# Altium PCB PCB.PcbDoc (part 3 of 4) (continued)
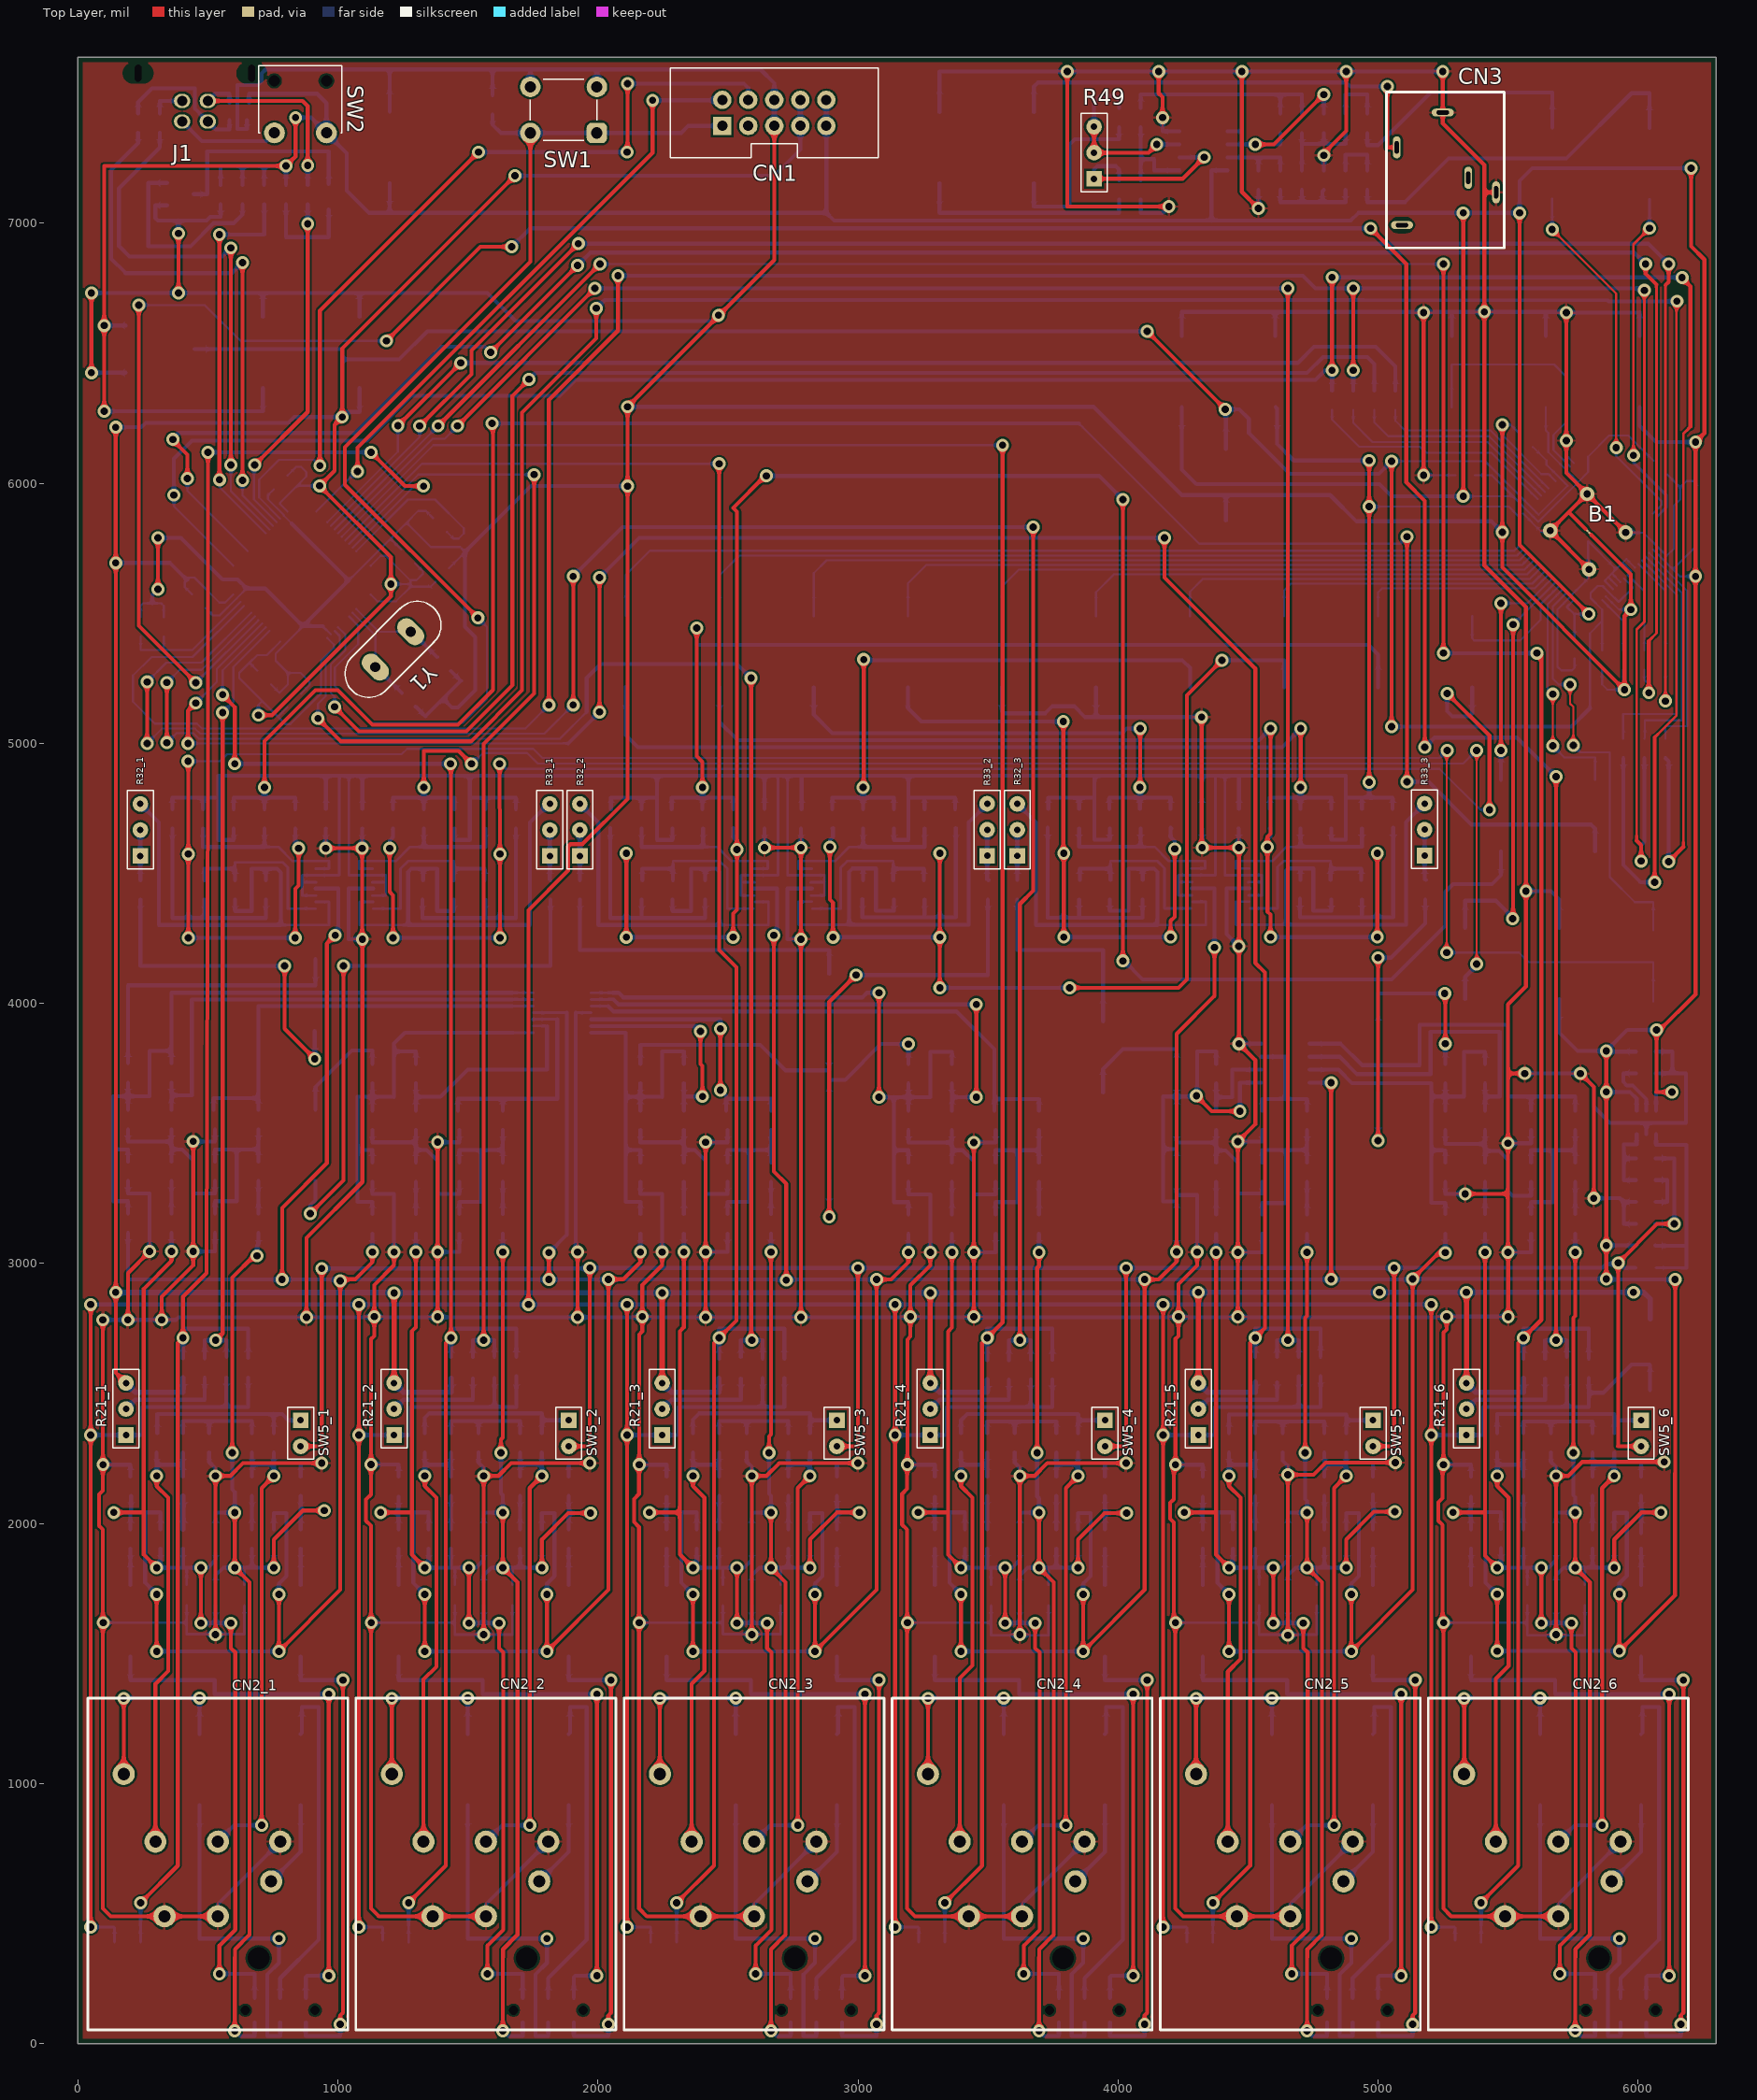
[diagram p0: Top Layer view]
## Nets (pads, with @x,y where several pads share a name; then routed paths per layer and width w, separated by ;. In a path a pad name is that pad's centre, name@x,y a point inside that pad or via, vN(x,y) a via of type N, cw(c..) or ccw(c..) an arc to the next point about the centre after c; other vN are vias at no path point) (continued)
NetC46_2: C46.2 U3.63 | length 3288.3
  Bottom Layer w8: C46.2@2468.01,5488.87 2468.01,5647.15 2542.96,5722.1 5533.76,5722.1 U3.63@5557.23,5745.57
NetC47_1_1: C47_1.1 SW3_1.2 | length 1350.4
  Bottom Layer w15: SW3_1.2@777.56,175.2 777.56,250.98 925.2,398.62 925.2,1294.29 861.22,1294.29 861.22,1195.07 C47_1.1@856.3,1190.15
NetC47_1_2: C47_1.2 CN2_1.R | length 339.9
  Bottom Layer w15: CN2_1.R@742.8,623.28 856.3,736.79 C47_1.2@856.3,916.15
NetC47_2_1: C47_2.1 SW3_2.2 | length 1350.4
  Bottom Layer w15: SW3_2.2@1808.56,175.2 1808.56,250.98 1956.2,398.62 1956.2,1294.29 1892.22,1294.29 1892.22,1195.07 C47_2.1@1887.3,1190.15
NetC47_2_2: C47_2.2 CN2_2.R | length 339.9
  Bottom Layer w15: CN2_2.R@1773.8,623.28 1887.3,736.79 C47_2.2@1887.3,916.15
NetC47_3_1: C47_3.1 SW3_3.2 | length 1350.4
  Bottom Layer w15: SW3_3.2@2839.57,175.2 2839.57,250.98 2987.2,398.62 2987.2,1294.29 2923.23,1294.29 2923.23,1195.07 C47_3.1@2918.31,1190.15
NetC47_3_2: C47_3.2 CN2_3.R | length 339.9
  Bottom Layer w15: CN2_3.R@2804.8,623.28 2918.31,736.79 C47_3.2@2918.31,916.15
NetC47_4_1: C47_4.1 SW3_4.2 | length 1350.4
  Bottom Layer w15: SW3_4.2@3870.57,175.2 3870.57,250.98 4018.21,398.62 4018.21,1294.29 3954.23,1294.29 3954.23,1195.07 C47_4.1@3949.31,1190.15
NetC47_4_2: C47_4.2 CN2_4.R | length 339.9
  Bottom Layer w15: CN2_4.R@3835.81,623.28 3949.31,736.79 C47_4.2@3949.31,916.15
NetC47_5_1: C47_5.1 SW3_5.2 | length 1350.4
  Bottom Layer w15: SW3_5.2@4901.57,175.2 4901.57,250.98 5049.21,398.62 5049.21,1294.29 4985.24,1294.29 4985.24,1195.07 C47_5.1@4980.31,1190.15
NetC47_5_2: C47_5.2 CN2_5.R | length 339.9
  Bottom Layer w15: CN2_5.R@4866.81,623.28 4980.31,736.79 C47_5.2@4980.31,916.15
NetC47_6_1: C47_6.1 SW3_6.2 | length 1350.4
  Bottom Layer w15: SW3_6.2@5932.58,175.2 5932.58,250.98 6080.22,398.62 6080.22,1294.29 6016.24,1294.29 6016.24,1195.07 C47_6.1@6011.32,1190.15
NetC47_6_2: C47_6.2 CN2_6.R | length 339.9
  Bottom Layer w15: CN2_6.R@5897.81,623.28 6011.32,736.79 C47_6.2@6011.32,916.15
NetC48_1_1: C48_1.1 SW3_1.5 | length 1310.5
  Bottom Layer w15: C48_1.1@467.52,916.15 467.52,656.99 467.52,403.54 v1(772.64,403.54) 772.64,310.04 728.35,265.75 728.35,29.53 777.56,29.53 SW3_1.5@777.56,80.71
NetC48_1_2: C48_1.2 CN2_1.T | length 722
  Top Layer w15: CN2_1.T@175.8,1036.28 v1(175.8,1327.37) v1@177.18,1328.75
  Bottom Layer w15: v1@177.18,1328.75 v1(467.52,1328.75) C48_1.2@467.52,1190.15
NetC48_2_1: C48_2.1 SW3_2.5 | length 1310.5
  Bottom Layer w15: C48_2.1@1498.52,916.15 1498.52,656.99 1498.52,403.54 v1(1803.64,403.54) 1803.64,310.04 1759.35,265.75 1759.35,29.53 1808.56,29.53 SW3_2.5@1808.56,80.71
NetC48_2_2: C48_2.2 CN2_2.T | length 722
  Top Layer w15: CN2_2.T@1206.8,1036.28 v1(1206.8,1327.37) v1@1208.18,1328.75
  Bottom Layer w15: v1@1208.18,1328.75 v1(1498.53,1328.75) C48_2.2@1498.53,1190.15
NetC48_3_1: C48_3.1 SW3_3.5 | length 1310.5
  Bottom Layer w15: C48_3.1@2529.53,916.15 2529.53,656.99 2529.53,403.54 v1(2834.65,403.54) 2834.65,310.04 2790.35,265.75 2790.35,29.53 2839.57,29.53 SW3_3.5@2839.57,80.71
NetC48_3_2: C48_3.2 CN2_3.T | length 722
  Top Layer w15: CN2_3.T@2237.8,1036.28 v1(2237.8,1327.37) v1@2239.18,1328.75
  Bottom Layer w15: v1@2239.18,1328.75 v1(2529.53,1328.75) C48_3.2@2529.53,1190.15
NetC48_4_1: C48_4.1 SW3_4.5 | length 1310.5
  Bottom Layer w15: C48_4.1@3560.53,916.15 3560.53,656.99 3560.53,403.54 v1(3865.65,403.54) 3865.65,310.04 3821.36,265.75 3821.36,29.53 3870.57,29.53 SW3_4.5@3870.57,80.71
NetC48_4_2: C48_4.2 CN2_4.T | length 722
  Top Layer w15: CN2_4.T@3268.81,1036.28 v1(3268.81,1327.37) v1@3270.19,1328.75
  Bottom Layer w15: v1@3270.19,1328.75 v1(3560.54,1328.75) C48_4.2@3560.54,1190.15
NetC48_5_1: C48_5.1 SW3_5.5 | length 1310.5
  Bottom Layer w15: C48_5.1@4591.54,916.15 4591.54,656.99 4591.54,403.54 v1(4896.65,403.54) 4896.65,310.04 4852.36,265.75 4852.36,29.53 4901.57,29.53 SW3_5.5@4901.57,80.71
NetC48_5_2: C48_5.2 CN2_5.T | length 722
  Top Layer w15: CN2_5.T@4299.81,1036.28 v1(4299.81,1327.37) v1@4301.19,1328.75
  Bottom Layer w15: v1@4301.19,1328.75 v1(4591.54,1328.75) C48_5.2@4591.54,1190.15
NetC48_6_1: C48_6.1 SW3_6.5 | length 1310.5
  Bottom Layer w15: C48_6.1@5622.54,916.15 5622.54,656.99 5622.54,403.54 v1(5927.66,403.54) 5927.66,310.04 5883.37,265.75 5883.37,29.53 5932.58,29.53 SW3_6.5@5932.58,80.71
NetC48_6_2: C48_6.2 CN2_6.T | length 722
  Top Layer w15: CN2_6.T@5330.81,1036.28 v1(5330.81,1327.37) v1@5332.2,1328.75
  Bottom Layer w15: v1@5332.2,1328.75 v1(5622.54,1328.75) C48_6.2@5622.54,1190.15
NetC49_1_1: C49_1.1 R23_1.2 U2.22 | length 3030
  Top Layer w15: v1(529.33,2704.23) 556.1,2731 v1(556.1,5118.11)
  Bottom Layer w8: v1(556.1,5118.11) 597.93,5159.94 597.93,5294.49 U2.22@736.03,5432.59
  Bottom Layer w15: R23_1.2@487.5,2634.94 487.5,2704.23 v1(529.33,2704.23) 571.16,2704.23 C49_1.1@571.16,2641.14
NetC49_2_1: C49_2.1 R23_2.2 U2.58 | length 4443.6
  Top Layer w15: v1(1560.04,2704.23) 1560.04,4997.54 1754.43,5191.93 v1(1754.43,6033.46)
  Bottom Layer w8: U2.58@1042.26,5766.65 1245.09,5969.49 1309.06,6033.46 v1(1754.43,6033.46)
  Bottom Layer w15: R23_2.2@1518.21,2639.86 1518.21,2704.23 v1(1560.04,2704.23) 1601.87,2704.23 C49_2.1@1601.87,2641.14
NetC49_3_1: C49_3.1 R23_3.2 U2.26 | length 5929.4
  Top Layer w15: v1(342.03,5002.46) v1(342.03,5233.76) ; v1@2588.58,2704.23 2588.58,4894.19 v1(2588.58,5250.98)
  Bottom Layer w8: v1(342.03,5002.46) 378.94,5039.37 442.91,5039.37 465.06,5017.22 1852.85,5017.22 1956.2,5120.57 ; v1(342.03,5233.76) 391.24,5282.97 475.06,5282.97 U2.26@680.35,5488.27
  Bottom Layer w15: 1956.2,5120.57 1956.2,5250.98 2010.33,5305.12 2534.45,5305.12 v1(2588.58,5250.98) ; R23_3.2@2549.21,2639.86 2549.21,2704.23 v1(2591.04,2704.23) 2632.87,2704.23 C49_3.1@2632.87,2633.76
NetC49_4_1: C49_4.1 R23_4.2 U2.27 | length 8190.2
  Top Layer w15: v1(265.75,5000) v1(265.75,5236.22) ; v1(1904.53,5147.64) v1(1904.53,5642.22) ; v1(3622.05,2704.23) 3622.05,4333.17 3622.05,4382.38 3673.72,4434.06 v1(3673.72,5831.69)
  Bottom Layer w8: v1(265.75,5000) 322.34,5056.59 450.3,5056.59 469.98,5036.91 1793.8,5036.91 v1(1904.53,5147.64) ; v1(265.75,5236.22) 339.57,5310.04 474.28,5310.04 U2.27@666.43,5502.19
  Bottom Layer w15: v1(1904.53,5642.22) 2094,5831.69 v1(3673.72,5831.69) ; R23_4.2@3580.22,2627.56 3580.22,2704.23 v1(3622.05,2704.23) 3663.88,2704.23 C49_4.1@3663.88,2628.84
NetC49_5_1: C49_5.1 R23_5.2 U2.55 | length 8298.8
  Top Layer w15: v1(1459.15,6220.47) v1(1988.19,6749.51) ; v1(4653.05,2704.23) 4653.05,3929.63 v1(4653.05,6749.51)
  Bottom Layer w8: U2.55@1000.5,5808.41 1363.34,6171.26 1409.94,6171.26 v1(1459.15,6220.47)
  Bottom Layer w15: v1(1988.19,6749.51) v1(4653.05,6749.51) ; R23_5.2@4611.22,2639.86 4611.22,2704.23 v1(4653.05,2704.23) 4694.88,2704.23 C49_5.1@4694.88,2641.14
NetC49_6_1: C49_6.1 R23_6.2 U2.25 | length 11915
  Top Layer w15: v1(233.76,6685.53) 233.76,5451.83 v1(452.76,5232.83) ; v1(1186.02,6547.74) 1547.74,6909.45 v1(1668.31,6909.45) ; v1(4970.47,6980.81) 5108.27,6843.01 5108.27,6003.94 5179.63,5932.58 v1(5179.63,4985.24) ; v1(5684.06,2704.23) 5684.06,3954.23 v1(5684.06,4872.05)
  Bottom Layer w8: v1(233.76,6685.53) 487.2,6685.53 629.92,6542.81 634.84,6547.74 v1(1186.02,6547.74) ; v1(452.76,5232.83) U2.25@694.27,5474.35 U2.25@691.89,5474.35
  Bottom Layer w15: v1(1668.31,6909.45) 1739.67,6980.81 v1(4970.47,6980.81) ; v1(5179.63,4985.24) 5216.54,5022.15 5533.96,5022.15 v1(5684.06,4872.05) ; R23_6.2@5642.22,2632.48 5642.22,2704.23 v1(5684.06,2704.23) 5725.89,2704.23 C49_6.1@5725.89,2641.14
NetC50_1_1: C50_1.1 R22_1.1 SW4_1.2 U2.59 | length 7565.2
  Top Layer w15: v1(240.55,540.75) 383.86,684.06 383.86,2445.87 383.86,2694.39 v1(403.54,2714.07) 403.54,2871.56 494.45,2962.46 499.71,4911.39 v1(499.72,6119.59) ; v1(1126.97,6119.59) 1257.38,5989.17 v1(1328.74,5989.17)
  Bottom Layer w8: U2.59@1056.17,5752.74 1292.61,5989.17 v1(1328.74,5989.17)
  Bottom Layer w10: SW4_1.2@240.55,390.26 240.55,472.44
  Bottom Layer w15: 240.55,472.44 v1(240.55,540.75) ; R22_1.1@403.54,2634.94 v1(403.54,2714.07) 403.54,2748.52 654.82,2748.52 C50_1.1@654.82,2636.22 ; v1(499.72,6119.59) v1(1126.97,6119.59)
NetC50_2_1: C50_2.1 R22_2.1 SW4_2.2 U2.23 | length 6514.4
  Top Layer w15: v1(556.1,5187.01) 602.85,5140.26 v1(602.85,4921.26) ; v1(1271.56,540.75) 1414.86,684.06 1414.86,2445.87 1414.86,2694.39 v1(1434.55,2714.07) 1434.55,4921.26 1434.55,4923.72 v1(1432.09,4921.26)
  Bottom Layer w8: v1(556.1,5187.01) 556.1,5280.5 U2.23@722.11,5446.51
  Bottom Layer w10: SW4_2.2@1271.56,390.26 1271.56,472.44
  Bottom Layer w15: v1(602.85,4921.26) v1(1432.09,4921.26) ; 1271.56,472.44 v1(1271.56,540.75) ; R22_2.1@1434.25,2639.86 1434.25,2748.52 1685.53,2748.52 C50_2.1@1685.53,2641.14
NetC50_3_1: C50_3.1 R22_3.1 SW4_3.2 U2.57 | length 7849
  Top Layer w15: v1(2302.56,540.75) 2445.87,684.06 2445.87,2445.87 2445.87,2694.39 v1(2465.55,2714.07) 2531.99,2780.51 2531.99,4138.78 2465.55,4205.22 v1(2465.55,6075.3)
  Bottom Layer w8: U2.57@1028.34,5780.57 1323.06,6075.3 v1(2465.55,6075.3)
  Bottom Layer w10: SW4_3.2@2302.56,390.26 2302.56,472.44
  Bottom Layer w15: 2302.56,472.44 v1(2302.56,540.75) ; R22_3.1@2465.26,2632.48 2465.26,2748.52 2716.54,2748.52 C50_3.1@2716.54,2633.76
NetC50_4_1: C50_4.1 R22_4.1 SW4_4.2 U2.56 | length 9027.4
  Top Layer w15: v1(3333.56,540.75) 3476.87,684.06 3476.87,2445.87 3476.87,2694.39 v1(3496.56,2714.07) 3555.61,2773.13 3555.61,4362.7 v1(3555.61,6146.65)
  Bottom Layer w8: U2.56@1014.42,5794.49 1366.58,6146.65 v1(3555.61,6146.65)
  Bottom Layer w10: SW4_4.2@3333.56,390.26 3333.56,472.44
  Bottom Layer w15: 3333.56,472.44 v1(3333.56,540.75) ; R22_4.1@3496.26,2627.56 3496.26,2748.52 3747.54,2748.52 C50_4.1@3747.54,2628.84
NetC50_5_1: C50_5.1 R22_5.1 SW4_5.2 U2.24 | length 11073
  Top Layer w15: v1(423.23,5000) 423.23,5125.49 v1(452.76,5155.02) ; v1(2005.41,5120.57) v1(2005.41,5637.3) ; v1(4178.15,5789.86) 4178.15,5637.3 4527.56,5287.89 4527.56,4156 4564.47,4119.09 4564.47,2750.98 v1(4527.56,2714.07) 4507.87,2694.39 4507.87,2445.87 4507.87,684.06 v1(4364.57,540.75)
  Bottom Layer w8: v1(423.23,5000) 1264.28,5000 1884.84,5000 ; v1(452.76,5155.02) 533.96,5236.22 533.96,5286.2 U2.24@708.19,5460.43
  Bottom Layer w10: SW4_5.2@4364.57,390.26 4364.57,472.44
  Bottom Layer w15: 1884.84,5000 v1(2005.41,5120.57) ; v1(2005.41,5637.3) 2157.97,5789.86 v1(4178.15,5789.86) ; 4364.57,472.44 v1(4364.57,540.75) ; R22_5.1@4527.26,2639.86 4527.26,2748.52 4778.54,2748.52 C50_5.1@4778.54,2641.14
NetC50_6_1: C50_6.1 R22_6.1 SW4_6.2 U2.54 | length 12084.5
  Top Layer w15: v1(1384.72,6220.47) v1(2007.26,6843.01) ; v1(5250.98,5346.95) v1(5250.98,6843.01) ; v1(5395.57,540.75) 5538.88,684.06 5538.88,2445.87 5538.88,2694.39 v1(5558.56,2714.07) 5627.46,2782.97 5627.46,4030.51 5627.46,5329.72 v1(5610.24,5346.95)
  Bottom Layer w8: U2.54@986.58,5822.33 v1(1384.72,6220.47) ; v1(2007.26,6843.01) v1(5250.98,6843.01)
  Bottom Layer w10: SW4_6.2@5395.57,390.26 5395.57,472.44
  Bottom Layer w15: v1(5250.98,5346.95) v1(5610.24,5346.95) ; 5395.57,472.44 v1(5395.57,540.75) ; R22_6.1@5558.27,2632.48 5558.27,2748.52 5809.55,2748.52 C50_6.1@5809.55,2633.76
NetC51_1_1: C51_1.1 R26_1.1 U4_1.7 | length 729.9
  Bottom Layer w10: 717.16,4601.38 771.3,4601.38 825.43,4547.24 965.69,4547.24 965.69,4518.21 U4_1.7@913.74,4518.21
  Bottom Layer w15: C51_1.1@480.94,4672.24 480.94,4601.38 717.16,4601.38 R26_1.1@717.16,4672.24
NetC51_2_1: C51_2.1 R26_2.1 U4_2.7 | length 729.9
  Bottom Layer w10: 2404.04,4601.38 2458.17,4601.38 2512.3,4547.24 2652.56,4547.24 2652.56,4518.21 U4_2.7@2600.61,4518.21
  Bottom Layer w15: C51_2.1@2167.82,4672.24 2167.82,4601.38 2404.04,4601.38 R26_2.1@2404.04,4672.24
NetC51_3_1: C51_3.1 R26_3.1 U4_3.7 | length 729.9
  Bottom Layer w10: 4086.26,4601.87 4140.39,4601.87 4194.53,4547.74 4334.78,4547.74 4334.78,4518.7 U4_3.7@4282.84,4518.7
  Bottom Layer w15: C51_3.1@3850.04,4672.74 3850.04,4601.87 4086.26,4601.87 R26_3.1@4086.26,4672.74
NetC52_1_1: C52_1.1 R27_1.1 U4_1.8 | length 729.9
  Bottom Layer w10: U4_1.8@1133.28,4518.21 1081.34,4518.21 1081.34,4547.24 1221.59,4547.24 1275.73,4601.38 1329.86,4601.38
  Bottom Layer w15: R27_1.1@1329.86,4672.24 1329.86,4601.38 1566.08,4601.38 C52_1.1@1566.08,4672.24
NetC52_2_1: C52_2.1 R27_2.1 U4_2.8 | length 729.9
  Bottom Layer w10: U4_2.8@2822.61,4518.21 2770.67,4518.21 2770.67,4547.24 2910.93,4547.24 2965.06,4601.38 3019.19,4601.38
  Bottom Layer w15: R27_2.1@3019.19,4672.24 3019.19,4601.38 3255.41,4601.38 C52_2.1@3255.41,4672.24
NetC52_3_1: C52_3.1 R27_3.1 U4_3.8 | length 729.9
  Bottom Layer w10: U4_3.8@4504.84,4518.7 4452.89,4518.7 4452.89,4547.74 4593.15,4547.74 4647.28,4601.87 4701.42,4601.87
  Bottom Layer w15: R27_3.1@4701.42,4672.74 4701.42,4601.87 4937.64,4601.87 C52_3.1@4937.64,4672.74
NetC55_1_1: C55_1.1 R36_1.1 U4_1.1 | length 706.2
  Bottom Layer w10: 603.98,4517.72 603.98,4542.32 787.4,4542.32 807.09,4522.64 807.09,4364.67 U4_1.1@913.74,4364.67
  Bottom Layer w15: R36_1.1@485.86,4473.92 485.86,4517.72 603.98,4517.72 C55_1.1@603.98,4473.92
NetC55_1_2: C55_1.2 R30_1.1 R32_1.3 U4_1.2 | length 1923.8
  Bottom Layer w10: 780.02,4301.18 965.2,4301.18 965.2,4390.26 U4_1.2@913.74,4390.26
  Bottom Layer w15: R32_1.3@239.8,4766.93 311.16,4695.57 311.16,4301.18 780.02,4301.18 780.02,4502.95 765.26,4517.72 722.09,4517.72 ; C55_1.2@603.98,4399.11 603.98,4355.31 667.95,4355.31 667.95,4517.72 722.09,4517.72 ; R30_1.1@722.09,4473.92 722.09,4517.72
NetC55_2_1: C55_2.1 R36_2.1 U4_2.1 | length 710.3
  Bottom Layer w10: 2288.39,4517.72 2288.39,4547.24 2468.01,4547.24 2497.54,4517.72 2497.54,4364.67 U4_2.1@2598.15,4364.67
  Bottom Layer w15: R36_2.1@2170.28,4473.92 2170.28,4517.72 2288.39,4517.72 C55_2.1@2288.39,4473.92
NetC55_2_2: C55_2.2 R30_2.1 R32_2.3 U4_2.2 | length 1931.3
  Bottom Layer w10: 2468.01,4301.18 2655.37,4301.18 2655.37,4390.26 U4_2.2@2603.92,4390.26
  Bottom Layer w15: R32_2.3@1929.98,4766.93 2001.34,4695.57 2001.34,4301.18 2468.01,4301.18 2468.01,4505.41 2455.71,4517.72 2412.26,4517.72 ; C55_2.2@2285.93,4399.11 2285.93,4355.31 2358.13,4355.31 2358.13,4517.72 2412.26,4517.72 ; R30_2.1@2412.26,4473.92 2412.26,4517.72
NetC55_3_1: C55_3.1 R36_3.1 U4_3.1 | length 711.4
  Bottom Layer w10: 3970.61,4518.21 3970.61,4547.74 4150.59,4547.74 4178.15,4520.18 4178.15,4365.16 U4_3.1@4280.38,4365.16
  Bottom Layer w15: R36_3.1@3852.5,4474.41 3852.5,4518.21 3970.61,4518.21 C55_3.1@3970.61,4474.41
NetC55_3_2: C55_3.2 R30_3.1 R32_3.3 U4_3.2 | length 1932.1
  Bottom Layer w10: 4151.08,4301.67 4153.54,4301.67 4337.6,4301.67 4337.6,4390.75 U4_3.2@4286.15,4390.75
  Bottom Layer w15: R32_3.3@3612.2,4767.42 3683.56,4696.06 3683.56,4301.67 4151.08,4301.67 4151.08,4505.91 4138.78,4518.21 4094.49,4518.21 ; C55_3.2@3968.15,4399.61 3968.15,4355.81 4040.35,4355.81 4040.35,4518.21 4094.49,4518.21 ; R30_3.1@4094.49,4474.41 4094.49,4518.21
NetC56_1_1: C56_1.1 R37_1.1 U4_1.14 | length 710.3
  Bottom Layer w10: U4_1.14@1135.74,4364.67 1240.16,4364.67 1240.16,4517.72 1269.68,4547.24 1445.51,4547.24 1445.51,4517.72
  Bottom Layer w15: C56_1.1@1445.51,4473.92 1445.51,4517.72 1563.62,4517.72 R37_1.1@1563.62,4473.92
NetC56_1_2: C56_1.2 R31_1.1 R33_1.3 U4_1.13 | length 1925
  Bottom Layer w10: U4_1.13@1135.74,4390.26 1084.29,4390.26 1084.29,4301.18 1269.68,4301.18
  Bottom Layer w15: R31_1.1@1327.4,4473.92 1327.4,4517.72 ; C56_1.2@1445.51,4399.11 1445.51,4355.31 1381.53,4355.31 1381.53,4517.72 1327.4,4517.72 ; R33_1.3@1809.68,4766.93 1738.33,4695.57 1738.33,4301.18 1269.68,4301.18 1269.68,4505.41 1281.99,4517.72 1327.4,4517.72
NetC56_2_1: C56_2.1 R37_2.1 U4_2.14 | length 713.2
  Bottom Layer w10: U4_2.14@2825.07,4364.67 2933.07,4364.67 2933.07,4522.64 2957.68,4547.24 3134.84,4547.24 3134.84,4517.72
  Bottom Layer w15: C56_2.1@3134.84,4473.92 3134.84,4517.72 3252.95,4517.72 R37_2.1@3252.95,4473.92
NetC56_2_2: C56_2.2 R31_2.1 R33_2.3 U4_2.13 | length 1923
  Bottom Layer w10: U4_2.13@2822.61,4391.14 2771.16,4391.14 2771.16,4302.07 2965.06,4302.07
  Bottom Layer w15: R31_2.1@3019.19,4473.92 3019.19,4513.68 3014.27,4518.6 ; C56_2.2@3137.3,4399.11 3137.3,4356.2 3068.41,4356.2 3068.41,4518.6 3014.27,4518.6 ; R33_2.3@3496.56,4767.81 3425.2,4696.46 3425.2,4302.07 2965.06,4302.07 2965.06,4505.41 2978.25,4518.6 3014.27,4518.6
NetC56_3_1: C56_3.1 R37_3.1 U4_3.14 | length 714.3
  Bottom Layer w10: U4_3.14@4507.3,4365.16 4613.68,4365.16 4613.68,4525.1 4636.32,4547.74 4817.07,4547.74 4817.07,4518.21
  Bottom Layer w15: C56_3.1@4817.07,4474.41 4817.07,4518.21 4935.18,4518.21 R37_3.1@4935.18,4474.41
NetC56_3_2: C56_3.2 R31_3.1 R33_3.3 U4_3.13 | length 1927.2
  Bottom Layer w10: U4_3.13@4504.84,4391.63 4453.39,4391.63 4453.39,4302.56 4645.67,4302.56
  Bottom Layer w15: R31_3.1@4701.42,4474.41 4701.42,4514.17 4696.5,4519.09 ; C56_3.2@4819.53,4399.61 4819.53,4356.69 4750.63,4356.69 4750.63,4519.09 4696.5,4519.09 ; R33_3.3@5178.78,4768.31 5107.42,4696.95 5107.42,4302.56 4645.67,4302.56 4645.67,4510.33 4654.43,4519.09 4696.5,4519.09
NetC57_1_1: C57_1.1 R34_1.1 | length 1321.7
  Top Layer w15: v1(794.78,4143.7) 794.78,3902.56 v1(910.43,3786.91)
  Bottom Layer w15: R34_1.1@239.8,4399.11 239.8,4143.7 v1(794.78,4143.7) ; v1(910.43,3786.91) C57_1.1@910.43,3893.51
NetC57_1_2: C57_1.2 R84.2 | length 1120.8
  Bottom Layer w15: R84.2@191.93,3770.18 191.93,4069.88 912.89,4069.88 C57_1.2@912.89,4169.97
NetC57_2_1: C57_2.1 R34_2.1 | length 1243.7
  Bottom Layer w15: R34_2.1@1929.98,4399.11 1929.98,4205.22 2888.78,4205.22 C57_2.1@2888.78,4114.17
NetC57_2_2: C57_2.2 R106.2 | length 936
  Bottom Layer w15: R106.2@2162.89,3767.72 2162.89,3839.96 2624.11,3839.96 2721.46,3742.62 2888.78,3742.62 C57_2.2@2888.78,3840.17
NetC57_3_1: C57_3.1 R34_3.1 | length 798
  Bottom Layer w15: R34_3.1@3612.2,4399.61 3612.2,4205.71 3941.93,4205.71 C57_3.1@3941.93,3931.29
NetC57_3_2: C57_3.2 R128.2 | length 461.8
  Bottom Layer w15: C57_3.2@3941.93,3657.29 3941.93,3747.54 4018.21,3823.82 4224.76,3823.82 R128.2@4224.76,3766.73
NetC58_1_1: C58_1.1 R35_1.1 | length 2191
  Top Layer w15: v1(893.21,3191.44) 1021.16,3319.39 v1(1021.16,4143.7)
  Bottom Layer w15: v1(893.21,3191.44) 893.21,3223.43 912.89,3243.11 C58_1.1@912.89,3317.72 ; v1(1021.16,4143.7) 1817.07,4143.7 R35_1.1@1817.07,4399.11
NetC58_1_2: C58_1.2 R95.2 | length 415.2
  Bottom Layer w15: C58_1.2@912.89,3591.72 912.89,3678.64 1053.15,3818.9 1131.89,3818.9 R95.2@1131.89,3767.72
NetC58_2_1: C58_2.1 R35_2.1 | length 1908.3
  Top Layer w15: v1(2888.78,3179.13) 2888.78,4005.91 v1(2992.13,4109.25)
  Bottom Layer w15: v1(2888.78,3179.13) C58_2.1@2888.78,3317.72 ; v1(2992.13,4109.25) 3499.02,4109.25 R35_2.1@3499.02,4399.11
NetC58_2_2: C58_2.2 R117.2 | length 553
  Bottom Layer w15: C58_2.2@2888.78,3591.72 2888.78,3705.71 2950.3,3705.71 3088.09,3843.5 v1(3193.9,3843.5) R117.2@3193.9,3766.73
NetC58_3_1: C58_3.1 R35_3.1 | length 1216.1
  Top Layer w15: v1(5000,3471.95) v1(5000,4175.69)
  Bottom Layer w15: v1(5000,3471.95) C58_3.1@5000,3590.85 C58_3.1@5000,3656.5 ; v1(5000,4175.69) 5049.21,4175.69 5181.24,4307.72 R35_3.1@5181.24,4399.61
NetC58_3_2: C58_3.2 R139.2 | length 634.5
  Top Layer w15: v1@5258.37,3838.58 v1(5258.37,3844.68) v1@5258.37,4037.89
  Bottom Layer w15: C58_3.2@5000,3930.5 5000,4037.89 v1(5255.91,4037.89) ; R139.2@5258.37,3766.73 v1@5258.37,3838.58
NetC61_1: C61.1 R38.2 R42.1 U5.1 | length 1018.1
  Bottom Layer w15: R42.1@4087.11,7443.9 4087.11,7495.65 4475.88,7495.65 ; U5.1@4421.25,7353.54 4477.07,7353.54 4477.07,7494.47 4475.88,7495.65 ; C61.1@4623.52,7421.75 4623.52,7495.65 ; R38.2@4707.18,7421.75 4707.18,7495.65 4623.52,7495.65 ; 4475.88,7495.65 4623.52,7495.65
NetC61_2: C61.2 R41.2 U5.2 | length 661.8
  Top Layer w15: v1(4527.56,7303.15) 4598.92,7303.15 v1(4790.84,7495.08)
  Bottom Layer w15: U5.2@4421.25,7303.54 4623.52,7303.54 C61.2@4623.52,7346.95 ; R41.2@4790.84,7421.75 v1(4790.84,7495.08)
NetC62_1: C62.1 R39.1 | length 974.6
  Bottom Layer w15: R39.1@4958.17,7346.95 4958.17,7300.69 5000,7300.69 5201.77,7502.46 5669.29,7502.46 C62.1@5669.29,7368.79
NetC62_2: C62.2 U3.31 | length 1414.9
  Top Layer w8: v1(5669.29,6975.89) 5915.35,6729.82 v1(5915.35,6136.81) 5910.29,6136.81 v1@5902.9,6129.43
  Bottom Layer w8: v1(5669.29,6975.89) C62.2@5669.29,7094.79 ; v1(5915.35,6136.81) 5915.35,6104.82 6090.06,5930.12 6090.06,5916.49 U3.31@6056.94,5883.37
NetC63_1: C63.1 R38.1 R40.2 R41.1 | length 389.3
  Bottom Layer w15: C63.1@4707.18,7202.75 4707.18,7300.69 ; R38.1@4707.18,7346.95 4707.18,7305.61 4790.84,7305.61 ; R41.1@4790.84,7346.95 4790.84,7305.61 ; R40.2@4874.51,7346.95 4874.51,7305.61 4790.84,7305.61
NetC63_2: C63.2 R44.2 R45.1 R48.2 | length 438.1
  Bottom Layer w15: R45.1@4623.52,7127.95 4623.52,7081.69 4707.18,7081.69 ; C63.2@4707.18,7127.95 4707.18,7081.69 ; R48.2@4790.85,7127.95 4785.92,7123.03 4785.92,7081.69 ; R44.2@4874.51,7127.95 4874.51,7081.69 4785.92,7081.69 ; 4707.18,7081.69 4785.92,7081.69
NetC64_1: C64.1 R46.2 | length 708.9
  Bottom Layer w15: C64.1@3676.18,7153.85 3676.18,7064.86 3813.97,7064.86 3813.97,7303.15 3833.66,7322.83 4003.44,7322.83 R46.2@4003.44,7369.09
NetC64_2: C64.2 CN3.5 | length 1739.8
  Top Layer w15: v1(5035.83,7525.68) 5035.83,7291.92 CN3.5@5071.52,7291.92
  Bottom Layer w15: C64.2@3676.18,7427.85 3676.18,7525.68 3691.66,7541.16 4877.64,7541.16 4893.12,7525.68 v1(5035.83,7525.68)
NetC65_1: C65.1 R43.1 | length 1438.3
  Bottom Layer w15: R43.1@4958.17,7127.95 4958.17,7081.69 5103.34,7081.69 5270.67,7249.01 5723.42,7249.01 5974.41,7500 6043.31,7500 C65.1@6043.31,7366.33
NetC65_2: C65.2 U3.32 | length 1317
  Top Layer w10: v1(5981.79,6107.28) 5981.79,6919.15 5981.72,6919.22 v1(6043.31,6980.81)
  Bottom Layer w10: v1(5981.79,6107.28) 5981.79,6080.36 5981.72,6080.29 6109.06,5952.95 6109.06,5908.17 6070.86,5869.97 U3.32@6070.86,5869.45 ; v1(6043.31,6980.81) C65.2@6043.31,7092.33
NetC66_1: C66.1 R45.2 U5.3 | length 303.8
  Bottom Layer w15: U5.3@4421.25,7253.54 4539.86,7253.54 ; C66.1@4539.86,7202.75 4539.86,7253.54 ; R45.2@4623.52,7202.75 4623.52,7253.54 4539.86,7253.54
NetC67_1: C67.1 R50.1 | length 855.5
  Bottom Layer w15: C67.1@3313.09,7153.85 3313.09,7039.86 4003.44,7039.86 R50.1@4003.44,7091.04
NetC70_1: C70.1 U6.5 | length 241.8
  Bottom Layer w15: C70.1@5991.61,3730.9 5942.82,3730.9 5942.82,3697.93 5956.21,3684.54 5978.36,3684.54 6031.5,3631.4 U6.5@6031.5,3587.6
NetC71_1: C71.1 R78.2 R79.2 R80.1 R84.1 U7.7 | length 2777.8
  Bottom Layer w10: 1670.77,4040.85 U7.7@1751.7,4040.85
  Bottom Layer w15: R79.2@191.93,3191.93 191.93,3239.17 135.33,3239.17 135.33,3438.48 ; R80.1@191.93,3391.24 191.93,3438.48 135.33,3438.48 ; R78.2@191.93,3590.55 191.93,3642.96 ; R84.1@191.93,3695.37 191.93,3642.96 ; 275.34,3642.96 191.93,3642.96 ; 275.59,3642.72 275.59,3817.42 359.25,3817.42 ; C71.1@359.25,3770.18 359.25,3817.42 ; 1670.77,4040.85 359.25,4040.85 359.25,3817.42 ; 135.33,3438.48 135.33,3642.96 191.93,3642.96
NetC71_2: C71.2 R83.2 U7.6 | length 1865.9
  Bottom Layer w10: 1670.77,4015.26 U7.6@1751.7,4015.26
  Bottom Layer w15: R83.2@359.25,3590.55 359.25,3646.65 ; C71.2@359.25,3695.37 359.25,3646.65 ; 1670.77,4015.26 437.99,4015.26 437.99,3646.65 359.25,3646.65
NetC72_1: C72.1 R78.1 R82.2 R83.1 | length 698.4
  Bottom Layer w15: R78.1@191.93,3515.75 191.93,3468.5 359.25,3468.5 ; R82.2@359.25,3391.24 359.25,3438.48 ; R83.1@359.25,3515.75 359.25,3468.5 ; C72.1@526.57,3316.44 526.57,3269.19 442.91,3269.19 442.91,3396.65 401.08,3438.48 359.25,3438.48 ; 359.25,3438.48 359.25,3468.5
NetC72_2: C72.2 R86.2 R87.1 R88.2 | length 669.3
  Bottom Layer w15: R88.2@526.57,3191.93 526.57,3239.17 610.24,3239.17 610.24,3438.48 ; C72.2@526.57,3391.24 526.57,3438.48 610.24,3438.48 ; R86.2@693.9,3391.24 693.9,3438.48 ; R87.1@693.9,3515.75 693.9,3438.48 ; 610.24,3438.48 693.9,3438.48
NetC73_1: C73.1 R87.2 U7.5 | length 1673.9
  Bottom Layer w10: 1670.77,3989.67 U7.5@1751.7,3989.67
  Bottom Layer w15: C73.1@521.65,3590.55 521.65,3635.33 693.9,3635.33 ; R87.2@693.9,3590.55 693.9,3635.33 ; 1670.77,3989.67 693.9,3989.67 693.9,3635.33
NetC74_1: C74.1 R89.2 R90.2 R91.1 R95.1 U7.1 | length 1746
  Bottom Layer w10: 1673.23,3887.3 U7.1@1751.7,3887.3
  Bottom Layer w15: R90.2@1131.89,3189.47 1131.89,3236.71 1075.3,3236.71 1075.3,3436.02 ; R91.1@1131.89,3388.78 1131.89,3436.02 1075.3,3436.02 ; R89.2@1131.89,3588.09 1131.89,3640.5 ; R95.1@1131.89,3692.91 1131.89,3640.5 ; 1215.31,3640.5 1131.89,3640.5 ; 1215.55,3640.26 1215.55,3814.96 ; C74.1@1299.21,3767.72 1299.21,3814.96 1215.55,3814.96 ; 1673.23,3887.3 1257.19,3887.3 1215.55,3845.67 1215.55,3814.96 ; 1075.3,3436.02 1075.3,3640.5 1131.89,3640.5
NetC74_2: C74.2 R94.2 U7.2 | length 872.3
  Bottom Layer w10: U7.2@1751.7,3912.89 1803.64,3912.89
  Bottom Layer w15: R94.2@1299.21,3588.09 1299.21,3640.5 ; C74.2@1299.21,3692.91 1299.21,3640.5 ; 1803.64,3912.89 1803.64,3745.08 1498.52,3745.08 1393.95,3640.5 1299.21,3640.5
NetC75_1: C75.1 R89.1 R93.2 R94.1 | length 698.4
  Bottom Layer w15: R89.1@1131.89,3513.29 1131.89,3466.04 1299.21,3466.04 ; R93.2@1299.21,3388.78 1299.21,3436.02 ; R94.1@1299.21,3513.29 1299.21,3466.04 ; C75.1@1466.54,3313.98 1466.54,3266.73 1382.87,3266.73 1382.87,3394.19 1341.04,3436.02 1299.21,3436.02 ; 1299.21,3436.02 1299.21,3466.04
NetC75_2: C75.2 R98.2 R99.1 R100.2 | length 669.3
  Bottom Layer w15: R100.2@1466.54,3189.47 1466.54,3236.71 1550.2,3236.71 1550.2,3436.02 ; C75.2@1466.54,3388.78 1466.54,3436.02 1550.2,3436.02 ; R98.2@1633.86,3388.78 1633.86,3436.02 ; R99.1@1633.86,3513.29 1633.86,3436.02 ; 1550.2,3436.02 1633.86,3436.02
NetC76_1: C76.1 R96.2 R101.2 R102.1 R106.1 U7.14 | length 1541.3
  Bottom Layer w15: U7.14@1973.7,3887.3 2106.3,3887.3 2106.3,3640.5 ; R101.2@2162.89,3189.47 2162.89,3236.71 2106.3,3236.71 2106.3,3436.02 ; R102.1@2162.89,3388.78 2162.89,3436.02 2106.3,3436.02 ; R96.2@2162.89,3588.09 2162.89,3640.5 ; R106.1@2162.89,3692.91 2162.89,3640.5 ; 2246.31,3640.5 2162.89,3640.5 ; 2246.56,3640.26 2246.56,3814.96 2330.22,3814.96 C76.1@2330.22,3767.72 ; 2106.3,3436.02 2106.3,3640.5 ; 2106.3,3640.5 2162.89,3640.5
NetC76_2: C76.2 R105.2 U7.13 | length 871.4
  Top Layer w15: v1(2394.19,3892.72) 2394.19,3767.22 2401.57,3759.84 v1(2401.57,3641.73)
  Bottom Layer w15: U7.13@1973.7,3912.89 2394.19,3912.89 v1(2394.19,3892.72) ; R105.2@2330.22,3588.09 2330.22,3640.5 ; C76.2@2330.22,3692.91 2330.22,3640.5 ; v1(2401.57,3641.73) 2331.45,3641.73 2330.22,3640.5